# Altium PCB 3-as-manufactured.pcbdoc (part 11 of 12)
Units mil, origin at the board's own origin, x right, y up, seen from the top; angles counter-clockwise.
Board outline 2728 x 2217 mil, 8 copper layers (L1_TOP, L2_GND, L3_INNER1, L4_GND, L5_PWR, L6_INNER2, L7_GND, L8_BOT), stack 48.618 mil thick; 227 components, 321 nets, 1592 pads, 1187 vias.
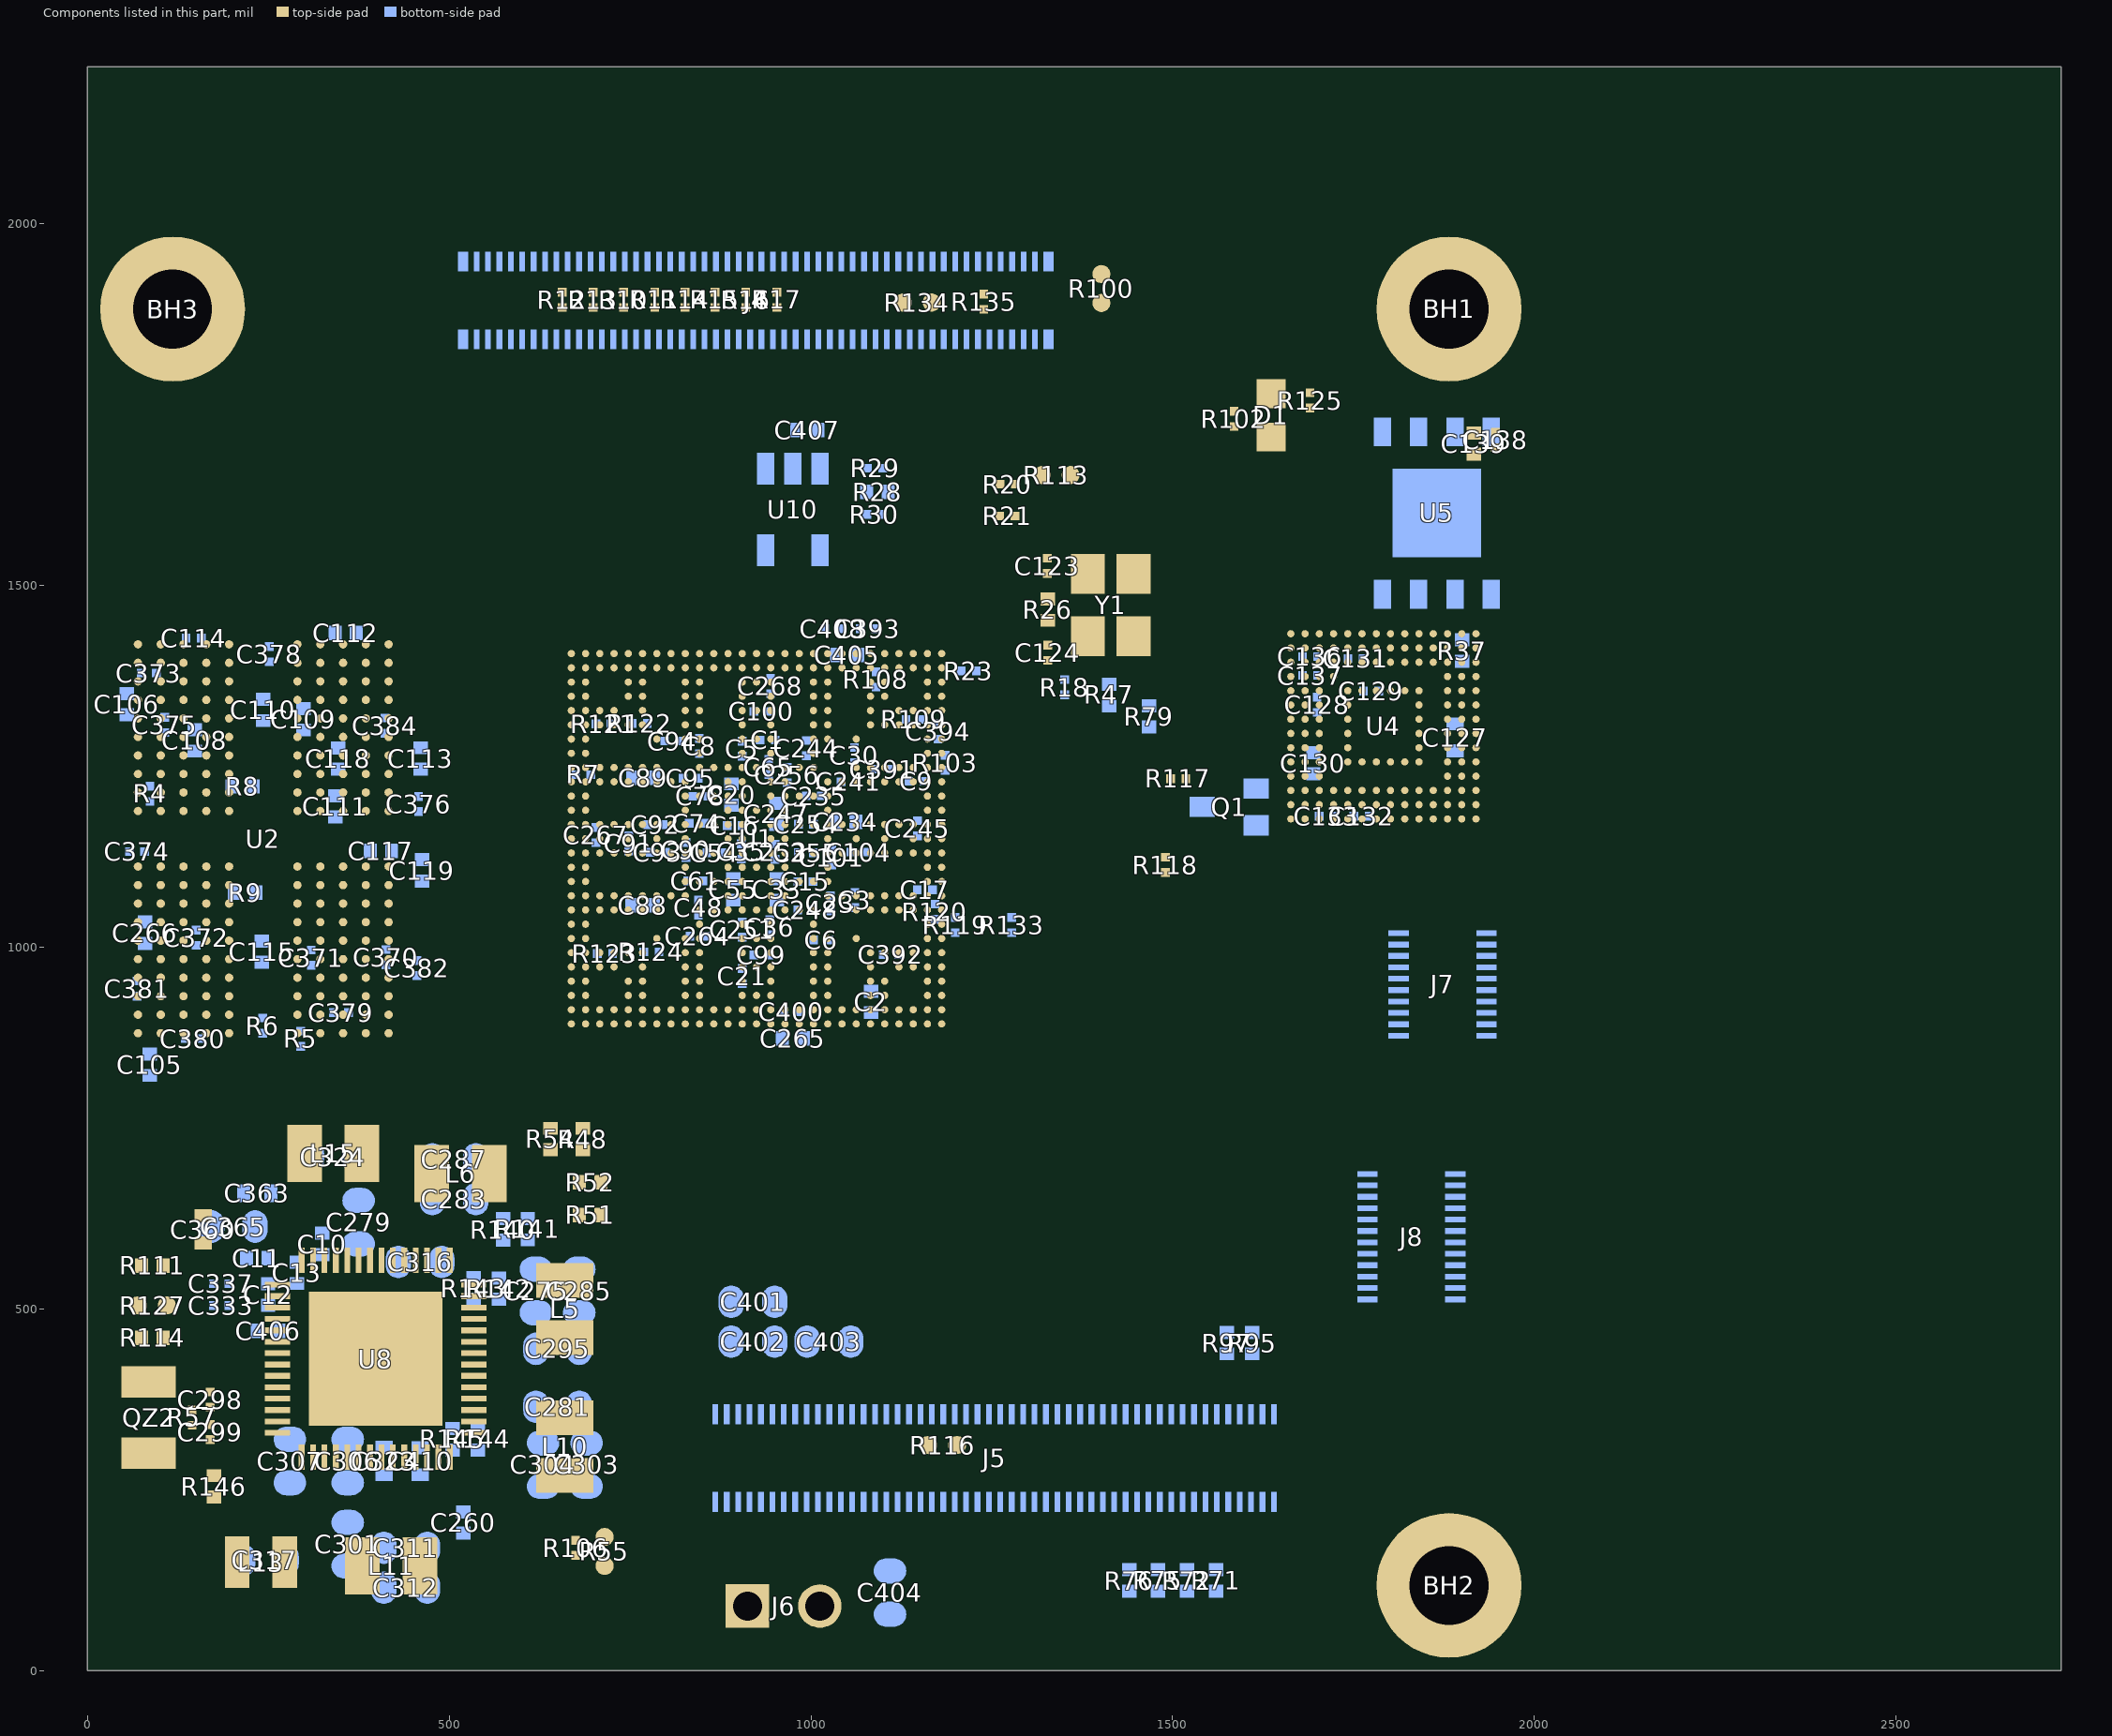
[diagram p17: the components of this part, seen from the top]

## Polygon pours and split planes (outlines as drawn) (continued)
VDD_1V8 on L8_BOT "POUR_167" (solid, remove dead copper, pour order 1056): 51 vertices, not listed, extent 1683.1,1141.32 1715.18,1193.69
VDD_1V8 on L8_BOT "POUR_168" (solid, remove dead copper, pour order 1071): 50 vertices, not listed, extent 1677.61,1220.15 1735.09,1255.12
VDD_1V8 on L8_BOT "POUR_169" (solid, remove dead copper, pour order 1050): 52 vertices, not listed, extent 1732.76,1142.67 1763.18,1193.69
VDD_1V8 on L8_BOT "POUR_170" (solid, remove dead copper, pour order 1051): 51 vertices, not listed, extent 1750.52,1362.37 1784.97,1411.84
VDD_1V8 on L8_BOT "POUR_171" (solid, remove dead copper, pour order 1084): 51 vertices, not listed, extent 1883.31,1379.55 1957.7,1410.93
VDD_1V8 on L8_BOT "POUR_174" (solid, remove dead copper, pour order 1110): 42 vertices, not listed, extent 1080.09,113.87 1236.38,162.47
VDD_1V8 on L8_BOT "POUR_175" (solid, remove dead copper, pour order 1111): 31 vertices, not listed, extent 155,90.62 239.3,186.35
VDD_1V8 on L8_BOT "POUR_177" (solid, remove dead copper, pour order 1053): 27 vertices, not listed, extent 1450.64,1318.04 1484.02,1361.75
VDD_3V3 on L8_BOT "POUR_195" (solid, remove dead copper, pour order 1043): 52 vertices, not listed, extent 841.24,1002.58 878.6,1048.42
VDD_3V3 on L8_BOT "POUR_196" (solid, remove dead copper, pour order 1035): 51 vertices, not listed, extent 833.2,1252.2 878.59,1281.6
VDD_3V3 on L8_BOT "POUR_199" (solid, remove dead copper, pour order 1075): 49 vertices, not listed, extent 1845.28,1255.61 1908.69,1287.36
VDD_3V3 on L8_BOT "POUR_200" (solid, remove dead copper, pour order 1113): 47 vertices, not listed, extent 1011.35,317.89 1148.74,375.22
VDD_3V3 on L8_BOT "POUR_201" (solid, remove dead copper, pour order 1104): 46 vertices, not listed, extent 1030.7,425.74 1113.65,544.58
VDD_3V3 on L8_BOT "POUR_204" (solid, remove dead copper, pour order 1105): 33 vertices, not listed, extent 990.27,1546.26 1031.09,1731.69
VDD_3V3 on L8_BOT "POUR_205" (solid, remove dead copper, pour order 1097): 17 vertices, not listed, extent 918.91,1599.3 956.29,1701.86
VDD_3V3 on L8_BOT "POUR_207" (solid, remove dead copper, pour order 1098): 19 vertices, not listed, extent 1419.82,40.07 1481.37,125.83
VDD_3V3 on L8_BOT "POUR_208" (solid, remove dead copper, pour order 1049): 24 vertices, not listed, extent 1463.2,77.48 1496.58,125.83
VDD_3V3 on L8_BOT "POUR_209" (solid, remove dead copper, pour order 1102): 19 vertices, not listed, extent 1484.57,21.32 1539.94,125.83
VDD_3V3 on L8_BOT "POUR_210" (solid, remove dead copper, pour order 1077): 23 vertices, not listed, extent 1543.2,94.45 1611.77,125.83
VDD_3V3 on L8_BOT "POUR_211" (solid, remove dead copper, pour order 1060): 27 vertices, not listed, extent 1557.97,451.97 1598.64,494.41
VDD_3V3 on L8_BOT "POUR_212" (solid, remove dead copper, pour order 1070): 25 vertices, not listed, extent 1592.97,441.5 1650.73,483.35
VDD_ARM_0V9 on L8_BOT "POUR_219" (solid, remove dead copper, pour order 1115): 68 vertices, not listed, extent 892.44,1018.65 997.54,1107.38
VDD_ARM_0V9 on L8_BOT "POUR_220" (solid, remove dead copper, pour order 1082): 42 vertices, not listed, extent 891.16,1108.94 963.05,1142.21
VDD_ARM_0V9 on L8_BOT "POUR_221" (solid, remove dead copper, pour order 1093): 47 vertices, not listed, extent 512.7,677.74 568.29,745.21
VDD_DRAM&PU_0V9 on L8_BOT "POUR_230" (solid, remove dead copper, pour order 1100): 63 vertices, not listed, extent 852.45,1193.4 954.39,1251.29
VDD_DRAM&PU_0V9 on L8_BOT "POUR_232" (solid, remove dead copper, pour order 1047): 53 vertices, not listed, extent 852.44,1117.72 890.02,1164.46
VDD_DRAM&PU_0V9 on L8_BOT "POUR_234" (solid, remove dead copper, pour order 1054): 52 vertices, not listed, extent 817.25,1078.87 859.1,1125.31
VDD_PHY_0V9 on L8_BOT "POUR_240" (solid, remove dead copper, pour order 1044): 51 vertices, not listed, extent 908.77,1251.15 942.47,1299.14
VINT on L8_BOT "POUR_258" (solid, remove dead copper, pour order 1089): 18 vertices, not listed, extent 181.55,440.41 250.93,487.7
VSYS_5V on L8_BOT "POUR_263" (solid, remove dead copper, pour order 1031): 41 vertices, not listed, extent 903.63,212.58 926.99,253.96
VSYS_5V on L8_BOT "POUR_264" (solid, remove dead copper, pour order 1030): 41 vertices, not listed, extent 887.88,212.58 911.24,253.96
VSYS_5V on L8_BOT "POUR_265" (solid, remove dead copper, pour order 1033): 41 vertices, not listed, extent 872.13,212.58 895.49,253.96
VSYS_5V on L8_BOT "POUR_266" (solid, remove dead copper, pour order 1032): 41 vertices, not listed, extent 856.38,212.58 879.74,253.96
VSYS_5V on L8_BOT "POUR_269" (solid, remove dead copper, pour order 1112): 68 vertices, not listed, extent 595.7,335.74 646.69,474.26
VSYS_5V on L8_BOT "POUR_270" (solid, remove dead copper, pour order 1119): 72 vertices, not listed, extent 250.74,180.7 410.56,284.3
VDD_3V3 on L5_PWR "VDD_3V3_L05_P1006" (solid, remove dead copper, pour order 1006): 72 vertices, not listed, extent 105,30 1885,1755
NVCC_DRAM_1V1 on L5_PWR "NVCC_DRAM_1V1_L05_P1004" (solid, remove dead copper, pour order 1004): 33 vertices, not listed, extent 40,665 845,1430
VDD_1V8 on L5_PWR "VDD_1V8_L05_P1005" (solid, remove dead copper, pour order 1005): 45 vertices, not listed, extent 923.74,210 2030,1916.03
VDD_DRAM&PU_0V9 on L5_PWR "VDD_DRAM&PU_0V9_L05_P1136" (solid, remove dead copper, pour order 1136): 570,210 548,232 548,298 729,479 729,850.68 819.57,941.26 819.57,1017.57 837.76,1035.76 837.76,1083.04 866.96,1083.04 890,1060 890,348.36 770.96,229.32 770.96,210
VDD_DRAM&PU_0V9 on L5_PWR "VDD_DRAM&PU_0V9_L05_P1001" (solid, remove dead copper, pour order 1001): 835,1240 935,1240 940,1235 940,1195 935,1190 890,1190 880,1180 880,1125 890,1115 890,1060 860,1060 827.4,1092.6 827.4,1117.6 817.24,1127.76 817.24,1222.24
NVCC_SNVS_1V8 on L5_PWR "NVCC_SNVS_1V8_L05_P1138" (solid, remove dead copper, pour order 1138): 1082.17,1277.83 1057,1303 994.59,1303 973.44,1281.85 973.44,1270.68 988.68,1255.44 1082.17,1255.44
VDD_ARM_0V9 on L5_PWR "VDD_ARM_0V9_L05_P1000" (solid, remove dead copper, pour order 1000): 20 vertices, not listed, extent 880,1032.9 1011.09,1150
VDD_SOC_0V8 on L5_PWR "VDD_SOC_0V8_L05_P1002" (solid, remove dead copper, pour order 1002): 18 vertices, not listed, extent 880,1095 1043.56,1240
VDD_1V8 on L5_PWR "POUR_150" (solid, remove dead copper, pour order 1003): 807.79,1917.5 923.74,1916.03 933.69,1914.23 938.01,1903.86 945.05,1894.73 962.9,1878.97 962.9,1869.06 962.9,1849 781.39,1837.15 678.3,1846.14 642.8,1881.64 671.16,1910.01
VDD_3V3 on L6_INNER2 "VDD_3V3_L06_P1127" (solid, remove dead copper, pour order 1127): 409.55,200 409.55,120.45 440,90 825,90 1175.07,440.07 1175.07,571.19 1152.12,594.14 1111.91,594.14 1072.03,634.01 1019.01,634.01 870.43,485.43 770.15,485.43 639.72,355 557.95,355
VDD_1V8 on L6_INNER2 "VDD_1V8_L06_P1017" (solid, remove dead copper, pour order 1017): 21 vertices, not listed, extent 30,80 470,1310
VDD_SOC_0V8 on L6_INNER2 "VDD_SOC_0V8_L06_P1130" (solid, remove dead copper, pour order 1130): 19 vertices, not listed, extent 390,680 1042.42,1240
NVCC_ENET on L6_INNER2 "NVCC_ENET_L06_P1008" (solid, remove dead copper, pour order 1008): 1182.28,1050 1075,1050 1065,1040 1065,1000 1078.61,986.39 1205.41,986.39 1205.41,1026.87
VDD_3V3 on L6_INNER2 "VDD_3V3_L06_P1012" (solid, remove dead copper, pour order 1012): 18 vertices, not listed, extent 820,1215 1124.88,1405
VDD_ARM_0V9 on L6_INNER2 "VDD_ARM_0V9_L06_P1014" (solid, remove dead copper, pour order 1014): 567.43,750.24 582.67,735 775,735 905,865 905,1061.9 924.98,1081.88 948.12,1081.88 985,1045 962.88,1022.88 962.88,807.88 807.69,652.69 621.98,652.69 548.57,732.12
VDD_ARM_0V9 on L6_INNER2 "POUR_218" (solid, remove dead copper, pour order 1013): 567.43,750.24 651.45,653.51 626,653.51 610.54,638.05 610.54,579.38 547.11,537.64 535.57,540.48 455.33,540.48 455.33,638.05 545.64,749.53
VSYS_5V on L6_INNER2 "POUR_262" (solid, remove dead copper, pour order 1016): 321.27,605.65 408.52,616.44 448.64,616.44 588.52,520.18 658.58,430.6 686.95,402.23 630.22,345.5 374.27,205 313,205 300.43,217.57 313,486.08 288.26,585.59 288.26,605.65
VDD_1V8 on L6_INNER2 "VDD_1V8_L06_P1129" (solid, remove dead copper, pour order 1129): 875,1035 875,984.93 887.35,972.58 902.58,972.58 905,975 905,1061.9 886.89,1061.89 875,1050
VDD_1V8 on L6_INNER2 "VDD_1V8_L06_P1128" (solid, remove dead copper, pour order 1128): 465,1280 485,1260 865,1260 878.72,1273.72 893.72,1273.72 895,1275 900,1270 900,1260 880,1240 855,1240 835,1220 490,1220 465,1195
VDD_SNVS_0V8 on L6_INNER2 "POUR_247" (solid, remove dead copper, pour order 1007): 208.45,527.21 205.64,530.02 200.79,534.87 210.49,544.57 230.29,540.92 237.15,540.92 237.15,527.21 228.19,520.95 227.23,519.99 226.08,519.27 224.81,518.82 223.46,518.67 222.12,518.82 220.84,519.27 219.69,519.99
VDD_ARM_0V9 on L6_INNER2 "VDD_ARM_0V9_L06_P1009" (solid, remove dead copper, pour order 1009): 924.96,1099.41 935.59,1099.41 956.46,1078.54 991.46,1078.54 995,1075 995,1055 985,1045 950.53,1045 924.89,1070.64
VDDA_1V8 on L6_INNER2 "POUR_108" (solid, remove dead copper, pour order 1010): 298.12,667.73 308.07,657.78 315.16,650.69 322.25,643.6 337.49,628.35 337.49,622.28 337.49,612.26 317.43,612.26 262.12,647.67 262.12,667.73
GND on L2_GND "POUR_272" (solid, remove dead copper, pour order 993): 2717.94,2206.94 2717.94,10.06 10.06,10.06 10.06,2206.94
GND on L4_GND "POUR_273" (solid, remove dead copper, pour order 998): 2717.94,2206.94 2717.94,10.06 10.06,10.06 10.06,2206.94
GND on L7_GND "POUR_274" (solid, remove dead copper, pour order 1018): 2717.94,2206.94 2717.94,10.06 10.06,10.06 10.06,2206.94

## Silkscreen, mask and mechanical layers (free items; w line width, h text height)
Top Overlay:
  text "STATUS" at 1523,1810 h30
  text "A1" at 654,1660 h30
  text "LPDDR4" at 117,1514 h30
  text "https://allegro-labs-2.365.altium.com/designs/33CDFF89-F7B7-4E8E-9005-EE67F88BEFC2#design" at 2106,1034 h152
  text "eMMC" at 1735,990 h30
  text "8MMINILPD4-CPU2" at 1125,190 h35
  text "5V0" at 870,160 h30
  text "GND" at 985,160 h30
  text "WDOG" at 745,100 h20
Bottom Overlay:
  circle w4: c1104.83,572.48 r2.6
  circle w4: c1088.5,679.88 r5
  circle w4: c1104.83,572.48 r11.73
  lines w4: 1054.36,698.82 1198.7,550.21 ; 1063.16,551.34 1202.03,701.15 ; 1093.23,673.22 1084.36,673.02 1174.9,673.02 ; 1093.23,674.42 1101.03,586.48 ; 1117.56,569.94 1153.03,569.94 1153.03,578.21 1161.5,677.88 ; 1146.83,676.55 1146.83,686.55 ; 1046.83,539.88 1213.5,539.88 1213.5,706.55 1046.83,706.55 1046.83,539.88 ; 1083.49,650.75 1083.49,663.42 1094.36,663.42 1095.16,650.75 1083.49,650.75 ; 1094.7,680.09 cw(c1111.3,660.88) 1112.83,686.22 1094.7,680.08 ; 1111.16,640.68 1111.16,646.88 1134.23,646.88 1134.23,640.68 1111.16,640.68 ; 1113.23,684.28 1136.3,684.28 1136.3,690.68 1113.23,690.68 1113.23,684.28 ; 1136.9,686.55 cw(c1135.71,640.75) 1161.5,678.62 1136.9,686.55
  lines w8: 2053,1121 2714,1121 ; 2054,1121 2054,955 2714,955 ; 2714,1130 2053,1130 2053,1295 2714,1295 ; 2015,40 2670,40 2670,210 2025,210 2015,210 2015,40
  text "QSOM-IMX8-98.7r8.21" at 2635,2046 h50
  text "SCH-47712 REV A" at 2580,1217 h30
  text "GND" at 1058.55,132.19 h30
  text "5V0" at 949.98,131.29 h30
Top Solder:
  text "i.MX 8M MINI" at 1085.29,68.77 h50
Dimension:
  lines w1: 0.07,1992.22 0.07,2545 ; 2730,2000.03 2730,2545
  lines w4: 0,0 2728,0 2728,2217 0,2217 0,0
  text "EDGE" at 1123,2247 h50
  text "BOARD" at 784,2245 h50
  text "BOARD" at 758,-76 h50
  text "EDGE" at 1148,-77 h50

## Text inside footprints (layer, text, board x,y; h text height)
U2: Top Assembly "1" at 423.33,844.9 h20 r180; Top Assembly "12" at 72.33,839.9 h20 r180; Top Assembly "A" at 473.33,889.9 h20 r180; Top Assembly "AB" at 493.33,1424.9 h20 r180; Top Pin Number "N2" at 377.06,1188.29 h10 r180; Top Pin Number "P3" at 345.56,1213.88 h10 r180; Top Pin Number "P1" at 408.55,1213.88 h10 r180; Top Pin Number "U12" at 58.1,1290.65 h10 r180; Top Pin Number "G9" at 156.59,1034.74 h10 r180; Top Pin Number "F1" at 408.55,1009.15 h10 r180; Top Pin Number "G4" at 314.07,1034.74 h10 r180; Top Pin Number "U1" at 408.55,1290.65 h10 r180; Top Pin Number "AA8" at 184.08,1393.01 h10 r180; Top Pin Number "W5" at 282.57,1341.83 h10 r180; Top Pin Number "W8" at 188.08,1341.83 h10 r180; Top Pin Number "W12" at 58.1,1341.83 h10 r180; Top Pin Number "AB9" at 152.59,1418.6 h10 r180; Top Pin Number "AA10" at 117.09,1393.01 h10 r180; Top Pin Number "R5" at 282.57,1239.47 h10 r180; Top Pin Number "U5" at 282.57,1290.65 h10 r180; Top Pin Number "U8" at 188.08,1290.65 h10 r180; Top Pin Number "U10" at 121.09,1290.65 h10 r180; Top Pin Number "N10" at 121.09,1188.29 h10 r180; Top Pin Number "R8" at 188.08,1239.47 h10 r180; Top Pin Number "R12" at 58.1,1239.47 h10 r180; Top Pin Number "N12" at 58.1,1188.29 h10 r180; Top Pin Number "H5" at 282.57,1060.34 h10 r180; Top Pin Number "D5" at 282.57,957.97 h10 r180; Top Pin Number "H8" at 188.08,1060.34 h10 r180; Top Pin Number "K10" at 121.09,1111.52 h10 r180; Top Pin Number "D8" at 188.08,957.97 h10 r180; Top Pin Number "F5" at 282.57,1009.15 h10 r180; Top Pin Number "F8" at 188.08,1009.15 h10 r180; Top Pin Number "F10" at 121.09,1009.15 h10 r180; Top Pin Number "H12" at 58.1,1060.34 h10 r180; Top Pin Number "K12" at 58.1,1111.52 h10 r180; Top Pin Number "D12" at 58.1,957.97 h10 r180; Top Pin Number "A4" at 314.07,881.2 h10 r180; Top Pin Number "B3" at 345.56,906.79 h10 r180; Top Pin Number "B5" at 282.57,906.79 h10 r180; Top Pin Number "B8" at 188.08,906.79 h10 r180; Top Pin Number "A9" at 156.59,881.2 h10 r180; Top Pin Number "B10" at 121.09,906.79 h10 r180; Top Pin Number "T2" at 377.06,1265.06 h10 r180; Top Pin Number "W1" at 408.55,1341.83 h10 r180; Top Pin Number "R1" at 408.55,1239.47 h10 r180; Top Pin Number "N1" at 408.55,1188.29 h10 r180; Top Pin Number "K1" at 408.55,1111.52 h10 r180; Top Pin Number "H1" at 408.55,1060.34 h10 r180; Top Pin Number "D1" at 408.55,957.97 h10 r180; Top Pin Number "U3" at 345.56,1290.65 h10 r180; Top Pin Number "N3" at 345.56,1188.29 h10 r180; Top Pin Number "K3" at 345.56,1111.52 h10 r180; Top Pin Number "F3" at 345.56,1009.15 h10 r180; Top Pin Number "G2" at 377.06,1034.74 h10 r180; Top Pin Number "Y4" at 314.07,1367.42 h10 r180; Top Pin Number "R11" at 89.59,1239.47 h10 r180; Top Pin Number "V3" at 345.56,1316.24 h10 r180; Top Pin Number "R10" at 121.09,1239.47 h10 r180; Top Pin Number "H9" at 156.59,1060.34 h10 r180; Top Pin Number "W3" at 345.56,1341.83 h10 r180; Top Pin Number "B4" at 314.07,906.79 h10 r180; Top Pin Number "J5" at 282.57,1085.93 h10 r180; Top Pin Number "Y2" at 377.06,1367.42 h10 r180; Top Pin Number "C10" at 121.09,932.38 h10 r180; Top Pin Number "R4" at 314.07,1239.47 h10 r180; Top Pin Number "E4" at 314.07,983.56 h10 r180; Top Pin Number "J8" at 188.08,1085.93 h10 r180; Top Pin Number "D10" at 121.09,957.97 h10 r180; Top Pin Number "H11" at 89.59,1060.34 h10 r180; Top Pin Number "H10" at 121.09,1060.34 h10 r180; Top Pin Number "P8" at 188.08,1213.88 h10 r180; Top Pin Number "F12" at 58.1,1009.15 h10 r180; Top Pin Number "T4" at 314.07,1265.06 h10 r180; Top Pin Number "T9" at 156.59,1265.06 h10 r180; Top Pin Number "AB11" at 85.59,1418.6 h10 r180; Top Pin Number "AB1" at 404.55,1418.6 h10 r180; Top Pin Number "AA12" at 54.1,1393.01 h10 r180; Top Pin Number "AA1" at 404.55,1393.01 h10 r180; Top Pin Number "A2" at 377.06,881.2 h10 r180; Top Pin Number "A12" at 58.1,881.2 h10 r180; Top Pin Number "A11" at 89.59,881.2 h10 r180; Top Pin Number "A1" at 408.55,881.2 h10 r180; Top Pin Number "P11" at 89.59,1213.88 h10 r180; Top Pin Number "H2" at 377.06,1060.34 h10 r180; Top Pin Number "J9" at 156.59,1085.93 h10 r180; Top Pin Number "H4" at 314.07,1060.34 h10 r180; Top Pin Number "U9" at 156.59,1290.65 h10 r180; Top Pin Number "V2" at 377.06,1316.24 h10 r180; Top Pin Number "V9" at 156.59,1316.24 h10 r180; Top Pin Number "Y10" at 121.09,1367.42 h10 r180; Top Pin Number "J2" at 377.06,1085.93 h10 r180; Top Pin Number "AA11" at 85.59,1393.01 h10 r180; Top Pin Number "T11" at 89.59,1265.06 h10 r180; Top Pin Number "B2" at 377.06,906.79 h10 r180; Top Pin Number "J11" at 89.59,1085.93 h10 r180; Top Pin Number "C11" at 89.59,932.38 h10 r180; Top Pin Number "F2" at 377.06,1009.15 h10 r180; Top Pin Number "C4" at 314.07,932.38 h10 r180; Top Pin Number "W10" at 121.09,1341.83 h10 r180; Top Pin Number "U11" at 89.59,1290.65 h10 r180; Top Pin Number "B11" at 89.59,906.79 h10 r180; Top Pin Number "E2" at 377.06,983.56 h10 r180; Top Pin Number "A5" at 282.57,881.2 h10 r180; Top Pin Number "R2" at 377.06,1239.47 h10 r180; Top Pin Number "C2" at 377.06,932.38 h10 r180; Top Pin Number "U4" at 314.07,1290.65 h10 r180; Top Pin Number "P4" at 314.07,1213.88 h10 r180; Top Pin Number "R9" at 156.59,1239.47 h10 r180; Top Pin Number "V4" at 314.07,1316.24 h10 r180; Top Pin Number "E3" at 345.56,983.56 h10 r180; Top Pin Number "F11" at 89.59,1009.15 h10 r180; Top Pin Number "AA9" at 152.59,1393.01 h10 r180; Top Pin Number "F4" at 314.07,1009.15 h10 r180; Top Pin Number "V10" at 121.09,1316.24 h10 r180; Top Pin Number "E9" at 156.59,983.56 h10 r180; Top Pin Number "P9" at 156.59,1213.88 h10 r180; Top Pin Number "P5" at 282.57,1213.88 h10 r180; Top Pin Number "E11" at 89.59,983.56 h10 r180; Top Pin Number "V11" at 89.59,1316.24 h10 r180; Top Pin Number "Y11" at 89.59,1367.42 h10 r180; Top Pin Number "AA4" at 310.07,1393.01 h10 r180; Top Pin Number "B9" at 156.59,906.79 h10 r180; Top Pin Number "R3" at 345.56,1239.47 h10 r180; Top Pin Number "H3" at 345.56,1060.34 h10 r180; Top Pin Number "C9" at 156.59,932.38 h10 r180; Top Pin Number "F9" at 156.59,1009.15 h10 r180; Top Pin Number "Y9" at 156.59,1367.42 h10 r180; Top Pin Number "E10" at 121.09,983.56 h10 r180; Top Pin Number "P2" at 377.06,1213.88 h10 r180; Top Pin Number "J4" at 314.07,1085.93 h10 r180; Top Pin Number "D3" at 345.56,957.97 h10 r180; Top Pin Number "AA2" at 373.06,1393.01 h10 r180; Top Pin Number "A8" at 188.08,881.2 h10 r180; Top Pin Number "Y3" at 345.56,1367.42 h10 r180; Top Pin Number "C3" at 345.56,932.38 h10 r180; Top Pin Number "AA3" at 341.56,1393.01 h10 r180; Top Pin Number "AB4" at 310.07,1418.6 h10 r180; Top Pin Number "AA5" at 278.57,1393.01 h10 r180; Top Pin Number "J1" at 408.55,1085.93 h10 r180; Top Pin Number "K2" at 377.06,1111.52 h10 r180; Top Pin Number "J3" at 345.56,1085.93 h10 r180; Top Pin Number "W4" at 314.07,1341.83 h10 r180; Top Pin Number "Y5" at 282.57,1367.42 h10 r180; Top Pin Number "D4" at 314.07,957.97 h10 r180; Top Pin Number "C5" at 282.57,932.38 h10 r180; Top Pin Number "Y8" at 188.08,1367.42 h10 r180; Top Pin Number "W9" at 156.59,1341.83 h10 r180; Top Pin Number "K9" at 156.59,1111.52 h10 r180; Top Pin Number "J10" at 121.09,1085.93 h10 r180; Top Pin Number "A10" at 121.09,881.2 h10 r180; Top Pin Number "C8" at 188.08,932.38 h10 r180; Top Pin Number "D9" at 156.59,957.97 h10 r180; Top Pin Number "Y1" at 408.55,1367.42 h10 r180; Top Pin Number "W2" at 377.06,1341.83 h10 r180; Top Pin Number "T3" at 345.56,1265.06 h10 r180; Top Pin Number "V1" at 408.55,1316.24 h10 r180; Top Pin Number "T1" at 408.55,1265.06 h10 r180; Top Pin Number "W11" at 89.59,1341.83 h10 r180; Top Pin Number "V12" at 58.1,1316.24 h10 r180; Top Pin Number "V8" at 188.08,1316.24 h10 r180; Top Pin Number "T8" at 188.08,1265.06 h10 r180; Top Pin Number "T10" at 121.09,1265.06 h10 r180; Top Pin Number "AB8" at 184.08,1418.6 h10 r180; Top Pin Number "V5" at 282.57,1316.24 h10 r180; Top Pin Number "AB5" at 278.57,1418.6 h10 r180; Top Pin Number "Y12" at 58.1,1367.42 h10 r180; Top Pin Number "T12" at 58.1,1265.06 h10 r180; Top Pin Number "T5" at 282.57,1265.06 h10 r180; Top Pin Number "N4" at 314.07,1188.29 h10 r180; Top Pin Number "K11" at 89.59,1111.52 h10 r180; Top Pin Number "J12" at 58.1,1085.93 h10 r180; Top Pin Number "C1" at 408.55,932.38 h10 r180; Top Pin Number "D2" at 377.06,957.97 h10 r180; Top Pin Number "E1" at 408.55,983.56 h10 r180; Top Pin Number "D11" at 89.59,957.97 h10 r180; Top Pin Number "E12" at 58.1,983.56 h10 r180; Top Pin Number "E8" at 188.08,983.56 h10 r180; Top Pin Number "G8" at 188.08,1034.74 h10 r180; Top Pin Number "G10" at 121.09,1034.74 h10 r180; Top Pin Number "E5" at 282.57,983.56 h10 r180; Top Pin Number "G5" at 282.57,1034.74 h10 r180; Top Pin Number "C12" at 58.1,932.38 h10 r180; Top Pin Number "G12" at 58.1,1034.74 h10 r180; Top Pin Number "G3" at 345.56,1034.74 h10 r180; Top Pin Number "P12" at 58.1,1213.88 h10 r180; Top Pin Number "N11" at 89.59,1188.29 h10 r180; Top Pin Number "G1" at 408.55,1034.74 h10 r180; Top Pin Number "K4" at 314.07,1111.52 h10 r180; Top Pin Number "AB3" at 341.56,1418.6 h10 r180; Top Pin Number "A3" at 345.56,881.2 h10 r180; Top Pin Number "P10" at 121.09,1213.88 h10 r180; Top Pin Number "N9" at 156.59,1188.29 h10 r180; Top Pin Number "AB10" at 117.09,1418.6 h10 r180; Top Pin Number "N8" at 188.08,1188.29 h10 r180; Top Pin Number "N5" at 282.57,1188.29 h10 r180; Top Pin Number "K8" at 188.08,1111.52 h10 r180; Top Pin Number "K5" at 282.57,1111.52 h10 r180; Top Pin Number "G11" at 89.59,1034.74 h10 r180; Top Pin Number "B12" at 58.1,906.79 h10 r180; Top Pin Number "B1" at 408.55,906.79 h10 r180; Top Pin Number "AB2" at 373.06,1418.6 h10 r180; Top Pin Number "AB12" at 54.1,1418.6 h10 r180
U4: Top Overlay "A" at 1545.74,1505.24 h15 r90; Top Overlay "P" at 1546.96,1067.21 h15 r90; Top Overlay "14" at 1936.78,1579.32 h15 r90; Top Overlay "1" at 1669.77,1586.53 h15 r90; Top Pin Number "D3" at 1700.6,1365.16 h10 r45; Top Pin Number "D2" at 1680.91,1365.16 h10 r45; Top Pin Number "D14" at 1915.13,1362.16 h10 r45; Top Pin Number "D13" at 1895.45,1362.16 h10 r45; Top Pin Number "D12" at 1875.76,1362.16 h10 r45; Top Pin Number "D1" at 1661.23,1365.16 h10 r45; Top Pin Number "C9" at 1818.71,1384.84 h10 r45; Top Pin Number "C8" at 1799.02,1384.84 h10 r45; Top Pin Number "C7" at 1779.34,1384.84 h10 r45; Top Pin Number "C5" at 1739.97,1384.84 h10 r45; Top Pin Number "C3" at 1700.6,1384.84 h10 r45; Top Pin Number "C14" at 1915.13,1381.84 h10 r45; Top Pin Number "C13" at 1895.45,1381.84 h10 r45; Top Pin Number "C12" at 1875.76,1381.84 h10 r45; Top Pin Number "C11" at 1856.08,1381.84 h10 r45; Top Pin Number "C10" at 1836.39,1381.84 h10 r45; Top Pin Number "C1" at 1661.23,1384.84 h10 r45; Top Pin Number "B9" at 1818.71,1404.53 h10 r45; Top Pin Number "B8" at 1799.02,1404.53 h10 r45; Top Pin Number "B7" at 1779.34,1404.53 h10 r45; Top Pin Number "B14" at 1915.13,1401.53 h10 r45; Top Pin Number "B13" at 1895.45,1401.53 h10 r45; Top Pin Number "B12" at 1875.76,1401.53 h10 r45; Top Pin Number "B11" at 1856.08,1401.53 h10 r45; Top Pin Number "B10" at 1836.39,1401.53 h10 r45; Top Pin Number "B1" at 1661.23,1404.53 h10 r45; Top Pin Number "A9" at 1818.71,1424.21 h10 r45; Top Pin Number "A8" at 1799.02,1424.21 h10 r45; Top Pin Number "A7" at 1779.34,1424.21 h10 r45; Top Pin Number "A2" at 1680.91,1424.21 h10 r45; Top Pin Number "A14" at 1915.13,1421.21 h10 r45; Top Pin Number "A13" at 1895.45,1421.21 h10 r45; Top Pin Number "A12" at 1875.76,1421.21 h10 r45; Top Pin Number "A11" at 1856.08,1421.21 h10 r45; Top Pin Number "A10" at 1836.39,1421.21 h10 r45; Top Pin Number "A1" at 1661.23,1424.21 h10 r45; Top Pin Number "K5" at 1739.97,1247.05 h10 r45; Top Pin Number "P3" at 1700.6,1168.31 h10 r45; Top Pin Number "N4" at 1720.28,1187.99 h10 r45; Top Pin Number "P5" at 1739.97,1168.31 h10 r45; Top Pin Number "M4" at 1720.28,1207.68 h10 r45; Top Pin Number "C6" at 1759.65,1384.84 h10 r45; Top Pin Number "P4" at 1720.28,1168.31 h10 r45; Top Pin Number "N2" at 1680.91,1187.99 h10 r45; Top Pin Number "N5" at 1739.97,1187.99 h10 r45; Top Pin Number "P6" at 1759.65,1168.31 h10 r45; Top Pin Number "C4" at 1720.28,1384.84 h10 r45; Top Pin Number "J5" at 1739.97,1266.73 h10 r45; Top Pin Number "H10" at 1836.39,1283.42 h10 r45; Top Pin Number "K8" at 1799.02,1247.05 h10 r45; Top Pin Number "G5" at 1739.97,1306.1 h10 r45; Top Pin Number "E7" at 1779.34,1345.47 h10 r45; Top Pin Number "A6" at 1759.65,1424.21 h10 r45; Top Pin Number "J10" at 1836.39,1263.73 h10 r45; Top Pin Number "K9" at 1818.71,1247.05 h10 r45; Top Pin Number "F5" at 1739.97,1325.79 h10 r45; Top Pin Number "E6" at 1759.65,1345.47 h10 r45; Top Pin Number "B3" at 1700.6,1404.53 h10 r45; Top Pin Number "M5" at 1739.97,1207.68 h10 r45; Top Pin Number "A4" at 1720.28,1424.21 h10 r45; Top Pin Number "A5" at 1739.97,1424.21 h10 r45; Top Pin Number "B6" at 1759.65,1404.53 h10 r45; Top Pin Number "B5" at 1739.97,1404.53 h10 r45; Top Pin Number "B4" at 1720.28,1404.53 h10 r45; Top Pin Number "A3" at 1700.6,1424.21 h10 r45; Top Pin Number "C2" at 1680.91,1384.84 h10 r45; Top Pin Number "B2" at 1680.91,1404.53 h10 r45; Top Pin Number "H5" at 1739.97,1286.42 h10 r45; Top Pin Number "M6" at 1759.65,1207.68 h10 r45; Top Pin Number "K10" at 1836.39,1244.05 h10 r45; Top Pin Number "F10" at 1836.39,1322.79 h10 r45; Top Pin Number "E10" at 1836.39,1342.47 h10 r45; Top Pin Number "E9" at 1818.71,1345.47 h10 r45; Top Pin Number "P9" at 1818.71,1168.31 h10 r45; Top Pin Number "P8" at 1799.02,1168.31 h10 r45; Top Pin Number "P7" at 1779.34,1168.31 h10 r45; Top Pin Number "P2" at 1680.91,1168.31 h10 r45; Top Pin Number "P14" at 1915.13,1165.31 h10 r45; Top Pin Number "P13" at 1895.45,1165.31 h10 r45; Top Pin Number "P12" at 1875.76,1165.31 h10 r45; Top Pin Number "P11" at 1856.08,1165.31 h10 r45; Top Pin Number "P10" at 1836.39,1165.31 h10 r45; Top Pin Number "P1" at 1661.23,1168.31 h10 r45; Top Pin Number "N9" at 1818.71,1187.99 h10 r45; Top Pin Number "N8" at 1799.02,1187.99 h10 r45; Top Pin Number "N7" at 1779.34,1187.99 h10 r45; Top Pin Number "N6" at 1759.65,1187.99 h10 r45; Top Pin Number "N3" at 1700.6,1187.99 h10 r45; Top Pin Number "N14" at 1915.13,1184.99 h10 r45; Top Pin Number "N13" at 1895.45,1184.99 h10 r45; Top Pin Number "N12" at 1875.76,1184.99 h10 r45; Top Pin Number "N11" at 1856.08,1184.99 h10 r45; Top Pin Number "N10" at 1836.39,1184.99 h10 r45; Top Pin Number "N1" at 1661.23,1187.99 h10 r45; Top Pin Number "M9" at 1818.71,1207.68 h10 r45; Top Pin Number "M8" at 1799.02,1207.68 h10 r45; Top Pin Number "M7" at 1779.34,1207.68 h10 r45; Top Pin Number "M3" at 1700.6,1207.68 h10 r45; Top Pin Number "M2" at 1680.91,1207.68 h10 r45; Top Pin Number "M14" at 1915.13,1204.68 h10 r45; Top Pin Number "M13" at 1895.45,1204.68 h10 r45; Top Pin Number "M12" at 1875.76,1204.68 h10 r45; Top Pin Number "M11" at 1856.08,1204.68 h10 r45; Top Pin Number "M10" at 1836.39,1204.68 h10 r45; Top Pin Number "M1" at 1661.23,1207.68 h10 r45; Top Pin Number "L3" at 1700.6,1227.36 h10 r45; Top Pin Number "L2" at 1680.91,1227.36 h10 r45; Top Pin Number "L14" at 1915.13,1224.36 h10 r45; Top Pin Number "L13" at 1895.45,1224.36 h10 r45; Top Pin Number "L12" at 1875.76,1224.36 h10 r45; Top Pin Number "L1" at 1661.23,1227.36 h10 r45; Top Pin Number "K7" at 1779.34,1247.05 h10 r45; Top Pin Number "K6" at 1759.65,1247.05 h10 r45; Top Pin Number "K3" at 1700.6,1247.05 h10 r45; Top Pin Number "K2" at 1680.91,1247.05 h10 r45; Top Pin Number "K14" at 1915.13,1244.05 h10 r45; Top Pin Number "K13" at 1895.45,1244.05 h10 r45; Top Pin Number "K12" at 1875.76,1244.05 h10 r45; Top Pin Number "K1" at 1661.23,1247.05 h10 r45; Top Pin Number "J3" at 1700.6,1266.73 h10 r45; Top Pin Number "J2" at 1680.91,1266.73 h10 r45; Top Pin Number "J14" at 1915.13,1263.73 h10 r45; Top Pin Number "J13" at 1895.45,1263.73 h10 r45; Top Pin Number "J12" at 1875.76,1263.73 h10 r45; Top Pin Number "J1" at 1661.23,1266.73 h10 r45; Top Pin Number "H3" at 1700.6,1286.42 h10 r45; Top Pin Number "H2" at 1680.91,1286.42 h10 r45; Top Pin Number "H14" at 1915.13,1283.42 h10 r45; Top Pin Number "H13" at 1895.45,1283.42 h10 r45; Top Pin Number "H12" at 1875.76,1283.42 h10 r45; Top Pin Number "H1" at 1661.23,1286.42 h10 r45; Top Pin Number "G3" at 1700.6,1306.1 h10 r45; Top Pin Number "G2" at 1680.91,1306.1 h10 r45; Top Pin Number "G14" at 1915.13,1303.1 h10 r45; Top Pin Number "G13" at 1895.45,1303.1 h10 r45; Top Pin Number "G12" at 1875.76,1303.1 h10 r45; Top Pin Number "G10" at 1836.39,1303.1 h10 r45; Top Pin Number "G1" at 1661.23,1306.1 h10 r45; Top Pin Number "F3" at 1700.6,1325.79 h10 r45; Top Pin Number "F2" at 1680.91,1325.79 h10 r45; Top Pin Number "F14" at 1915.13,1322.79 h10 r45; Top Pin Number "F13" at 1895.45,1322.79 h10 r45; Top Pin Number "F12" at 1875.76,1322.79 h10 r45; Top Pin Number "F1" at 1661.23,1325.79 h10 r45; Top Pin Number "E8" at 1799.02,1345.47 h10 r45; Top Pin Number "E5" at 1739.97,1345.47 h10 r45; Top Pin Number "E3" at 1700.6,1345.47 h10 r45; Top Pin Number "E2" at 1680.91,1345.47 h10 r45; Top Pin Number "E14" at 1915.13,1342.47 h10 r45; Top Pin Number "E13" at 1895.45,1342.47 h10 r45; Top Pin Number "E12" at 1875.76,1342.47 h10 r45; Top Pin Number "E1" at 1661.23,1345.47 h10 r45; Top Pin Number "D4" at 1720.28,1365.16 h10 r45
U5: Bottom Overlay "8" at 1985,1720 h20 r180; Bottom Overlay "5" at 1735,1720 h20 r180; Bottom Overlay "1" at 1990,1495 h20 r180; Bottom Assembly "5" at 1788,1722.2 h20 r180; Bottom Assembly "4" at 1788,1497.8 h20 r180; Bottom Assembly "1" at 1938,1497.8 h20 r180; Bottom Pin Number "8" at 1939.67,1713.87 h10 r90; Bottom Pin Number "3" at 1839.67,1489.46 h10 r90; Bottom Pin Number "2" at 1889.67,1489.46 h10 r90; Bottom Pin Number "5" at 1789.67,1713.87 h10 r90; Bottom Pin Number "7" at 1889.67,1713.87 h10 r90; Bottom Pin Number "1" at 1939.67,1489.46 h10 r90; Bottom Pin Number "6" at 1839.67,1713.87 h10 r90; Bottom Pin Number "9" at 1869,1600 h10 r90; Bottom Pin Number "4" at 1789.67,1489.46 h10 r90
U8: Top Overlay "1" at 224.99,525.7 h15; Top Overlay "29" at 555.17,290.16 h15; Top Overlay "43" at 504.65,584.76 h15; Top Overlay "56" at 289.71,606.16 h15; Top Overlay "15" at 223.57,256.01 h15; Top Pin Number "48" at 430.31,557.06 h15 r90; Top Pin Number "53" at 351.57,557.06 h15 r90; Top Pin Number "56" at 304.33,557.06 h15 r90; Top Pin Number "34" at 518.52,399.61 h15; Top Pin Number "33" at 518.52,383.86 h15; Top Pin Number "35" at 518.52,415.36 h15; Top Pin Number "17" at 333.82,275.4 h15 r90; Top Pin Number "18" at 349.57,275.4 h15 r90; Top Pin Number "16" at 318.08,275.4 h15 r90; Top Pin Number "29" at 518.52,320.87 h15; Top Pin Number "25" at 459.81,275.4 h15 r90; Top Pin Number "24" at 444.06,275.4 h15 r90; Top Pin Number "54" at 335.82,557.06 h15 r90; Top Pin Number "21" at 396.82,275.4 h15 r90; Top Pin Number "22" at 412.56,275.4 h15 r90; Top Pin Number "38" at 518.52,462.6 h15; Top Pin Number "55" at 320.08,557.06 h15 r90; Top Pin Number "23" at 428.31,275.4 h15 r90; Top Pin Number "5" at 258.57,462.6 h15; Top Pin Number "57" at 382.69,423.23 h15; Top Pin Number "43" at 509.05,557.06 h15 r90; Top Pin Number "2" at 258.57,509.84 h15; Top Pin Number "15" at 302.33,275.4 h15 r90; Top Pin Number "46" at 461.81,557.06 h15 r90; Top Pin Number "45" at 477.56,557.06 h15 r90; Top Pin Number "20" at 381.07,275.4 h15 r90; Top Pin Number "19" at 365.32,275.4 h15 r90; Top Pin Number "11" at 254,368.11 h15; Top Pin Number "32" at 518.52,368.11 h15; Top Pin Number "31" at 518.52,352.36 h15; Top Pin Number "37" at 518.52,446.85 h15; Top Pin Number "36" at 518.52,431.1 h15; Top Pin Number "4" at 257.86,478.35 h15; Top Pin Number "10" at 247.57,383.86 h15; Top Pin Number "51" at 383.07,557.06 h15 r90; Top Pin Number "50" at 398.82,557.06 h15 r90; Top Pin Number "12" at 247.57,352.36 h15; Top Pin Number "8" at 258.57,415.36 h15; Top Pin Number "28" at 507.05,275.4 h15 r90; Top Pin Number "52" at 367.32,557.06 h15 r90; Top Pin Number "14" at 246.86,320.87 h15; Top Pin Number "40" at 518.52,494.1 h15; Top Pin Number "39" at 518.52,478.35 h15; Top Pin Number "1" at 265,525.59 h15; Top Pin Number "7" at 258.57,431.1 h15; Top Pin Number "13" at 247.57,336.62 h15; Top Pin Number "9" at 259.29,399.61 h15; Top Pin Number "27" at 491.3,275.4 h15 r90; Top Pin Number "26" at 475.56,275.4 h15 r90; Top Pin Number "44" at 493.3,557.06 h15 r90; Top Pin Number "3" at 258.57,494.1 h15; Top Pin Number "6" at 259.29,446.85 h15; Top Pin Number "41" at 518.52,509.84 h15; Top Pin Number "42" at 518.52,525.59 h15; Top Pin Number "30" at 518.52,336.62 h15; Top Pin Number "47" at 446.06,557.06 h15 r90; Top Pin Number "49" at 414.56,557.06 h15 r90
Y1: Top Overlay "1" at 1500.86,1438.33 h15 r180